# Altium PCB PCB2.PcbDoc (part 2 of 3)
Units mil, origin at the board's own origin, x right, y up, seen from the top; angles counter-clockwise.
Board outline 2125.98 x 2755.91 mil, 4 copper layers (Top Layer, Int1 (GND), Int2 (PWR), Bottom Layer), stack 53.912 mil thick; 204 components, 162 nets, 881 pads, 430 vias.
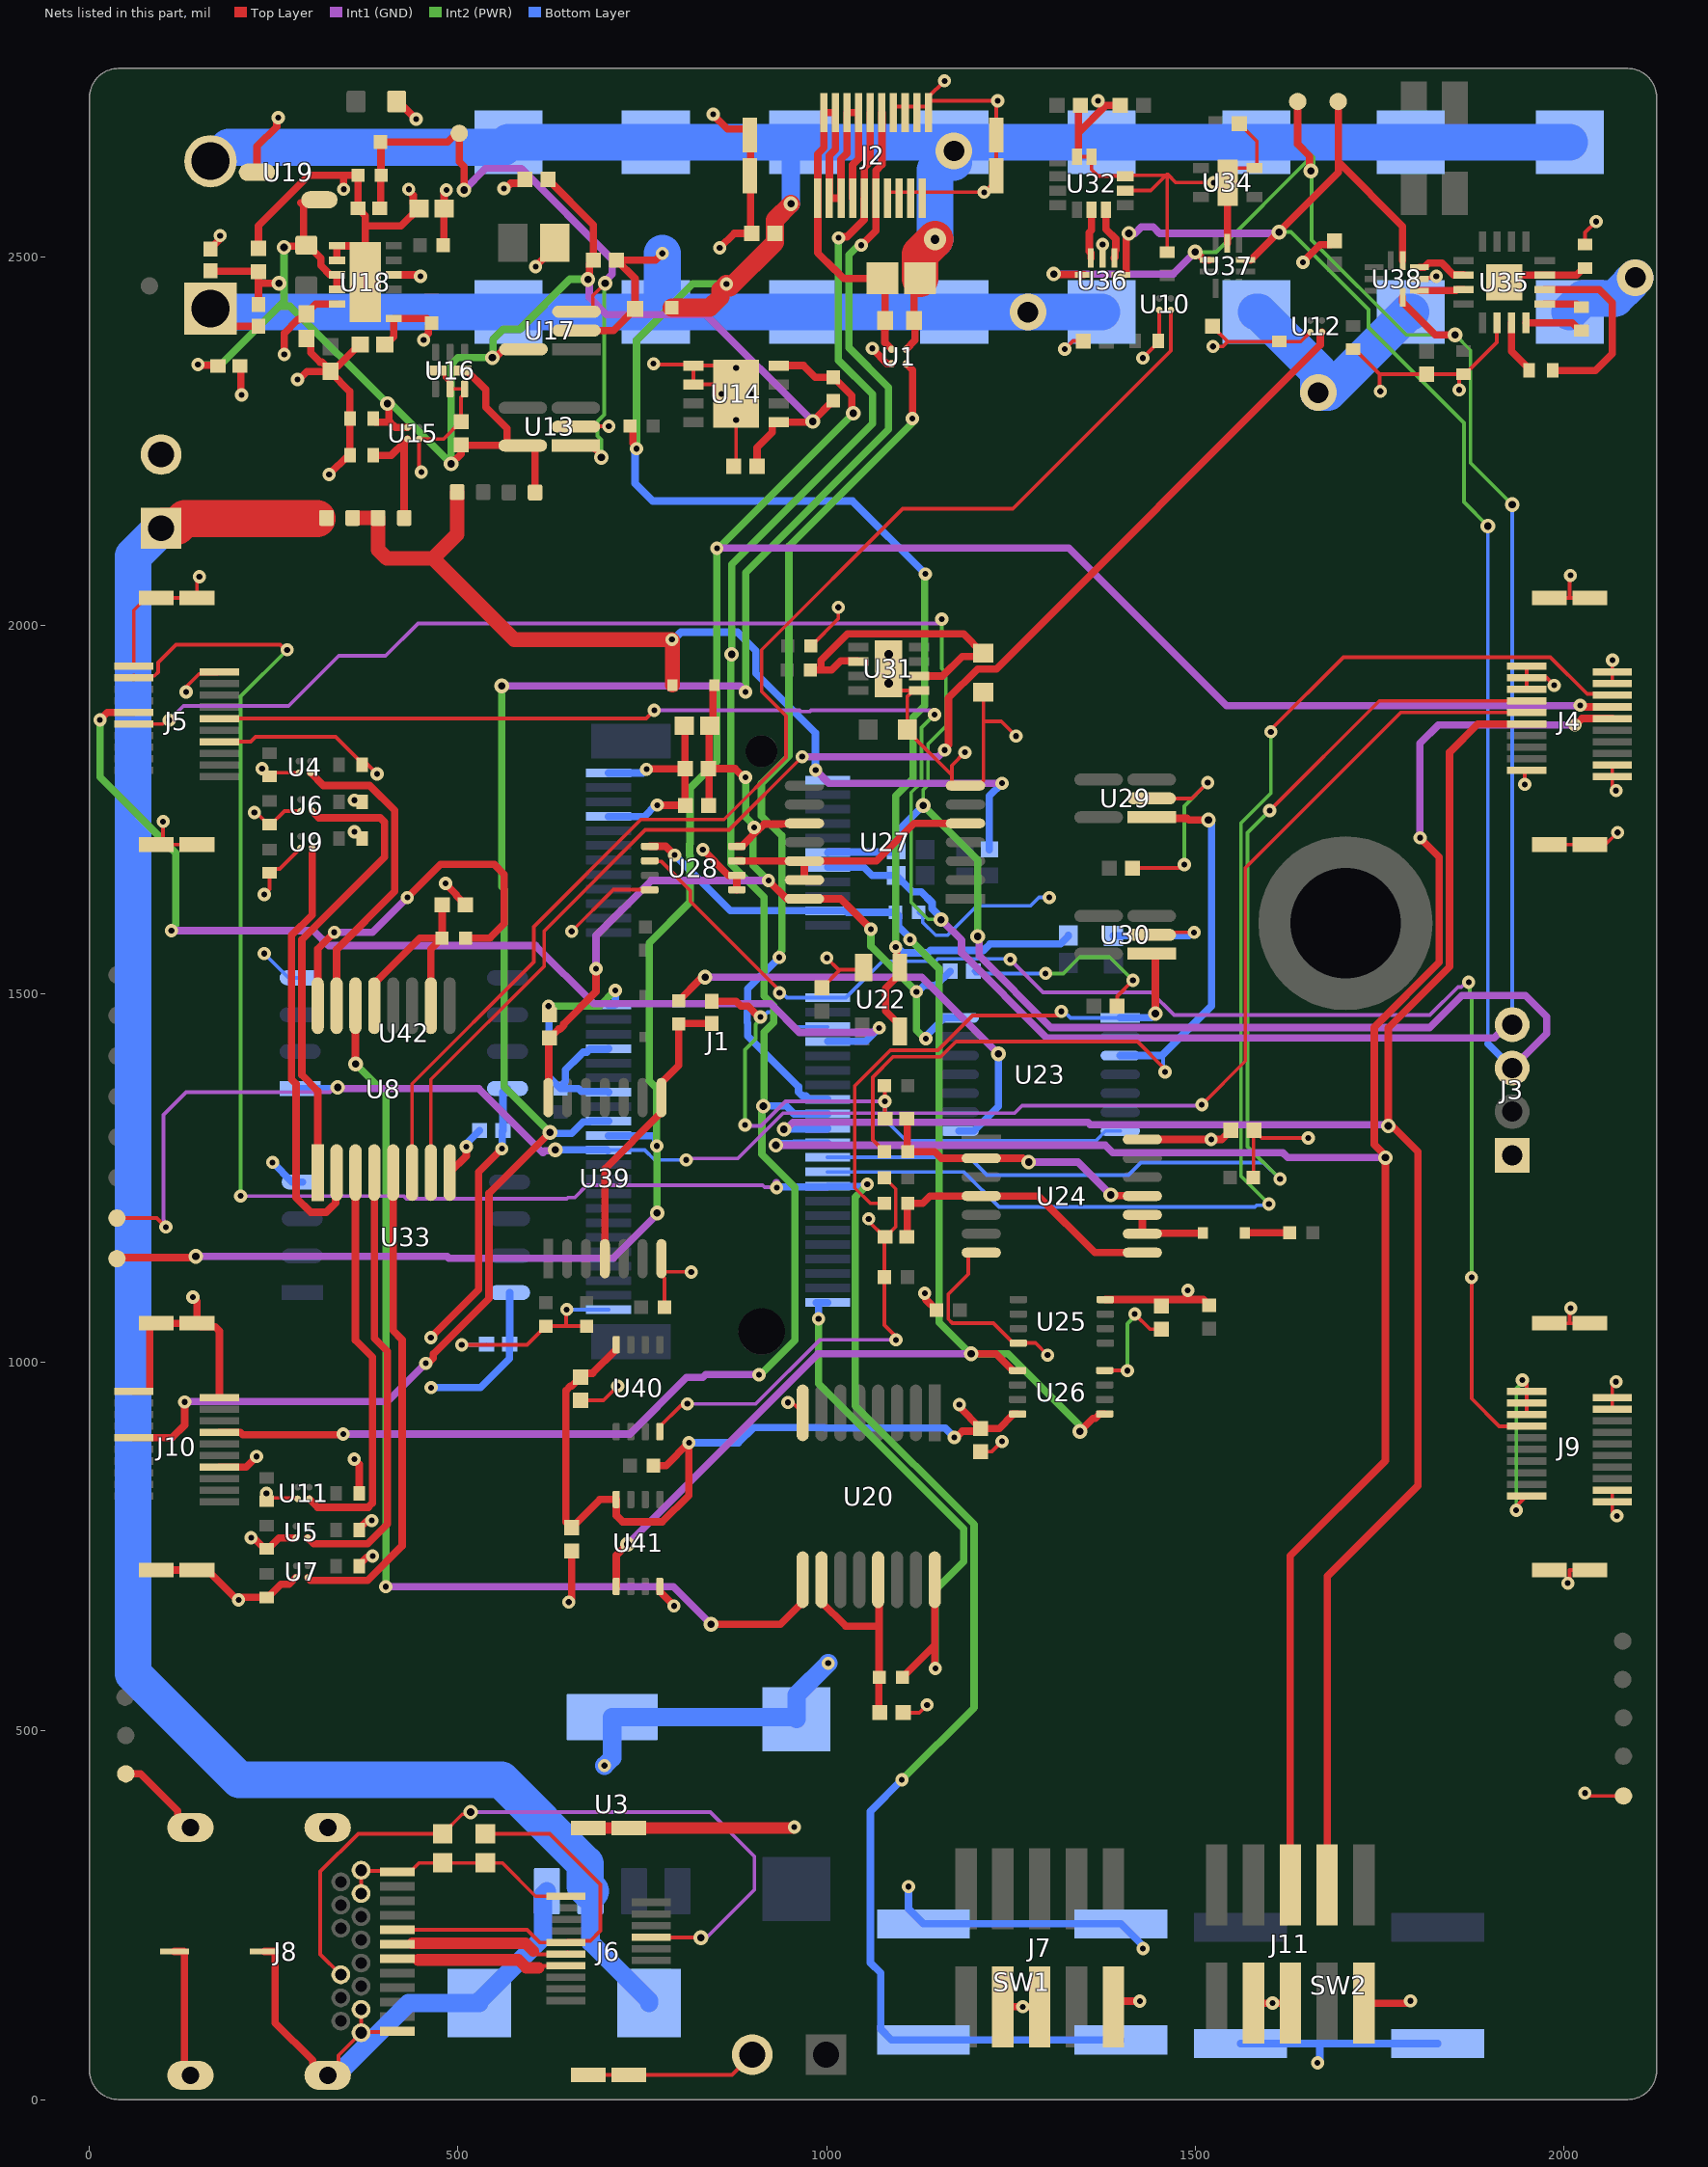
[diagram p4: the nets of this part, all layers, seen from the top]

## Via types
v1: diameter 18, hole 8, Top Layer to Bottom Layer, 311 vias
v2: diameter 20, hole 10, Top Layer to Bottom Layer, 102 vias
v3: diameter 50, hole 28, Top Layer to Bottom Layer, 6 vias
v4: diameter 90, hole 78.74, Top Layer to Bottom Layer, 4 vias
v5: diameter 19.68, hole 7.87, Top Layer to Bottom Layer, 4 vias
v6: diameter 23.62, hole 11.81, Top Layer to Bottom Layer, 2 vias
v7: diameter 30, hole 12, Top Layer to Bottom Layer, 1 vias

## Nets (pads, with @x,y where several pads share a name; then routed paths per layer and width w, separated by ;. In a path a pad name is that pad's centre, name@x,y a point inside that pad or via, vN(x,y) a via of type N, cw(c..) or ccw(c..) an arc to the next point about the centre after c; other vN are vias at no path point) (continued)
AIN1: J1.38 J5.9 | length 1478.8
  Top Layer w10: v1(14.09,1871.94) 24.24,1882.09 J5.9@60.04,1882.09
  Int1 (GND) w10: v1(111.09,1585.94) 304.33,1585.94 324.64,1565.63 605.28,1565.63 684.03,1486.88 924.16,1486.88 963.09,1447.94 1063.09,1447.94 1069.2,1454.06 v1(1071.36,1454.06)
  Int2 (PWR) w10: v1(14.09,1871.94) 14.09,1794.34 117.09,1691.34 117.09,1594.11 111.09,1588.11 v1(111.09,1585.94)
  Bottom Layer w10: J1.38@1001.34,1435.78 1053.09,1435.78 v1(1071.36,1454.06)
AIN5: J1.46 U1.B2 | length 1180.5
  Top Layer w10: U1.B2@1107.94,2355.1 1116.42,2346.62 v1(1116.42,2280.91)
  Int2 (PWR) w10: v1(935.6,1549.68) 937.14,1551.21 937.14,1556.87 939.09,1558.83 939.09,1714.81 925.68,1728.23 925.01,1728.23 911.59,1741.65 911.59,1785.95 948.87,1823.23 948.87,2107.72 1116.42,2275.27 v1(1116.42,2280.91)
  Bottom Layer w10: v1(935.6,1549.68) 935.83,1549.68 893.09,1506.94 893.09,1477.33 892.09,1476.33 892.09,1461.42 893.09,1460.42 893.09,1442.94 961.83,1374.2 961.83,1367.09 967.11,1361.82 971.96,1361.82 976.74,1357.04 J1.46@1001.34,1357.04
AIN6: J1.48 J2.9 J2.10 J10.8 | length 2764.5
  Top Layer w10: J10.8@176.18,905.32 204.66,905.32 208.1,901.87 343.02,901.87 v1(344.09,902.94) ; v1(1016.09,2525.94) 1017.63,2527.48 1027.63,2527.48 1050.91,2550.76 1050.91,2579.65 1051.06,2579.8 1051.06,2621.11 1059.25,2629.3 J2.10@1059.25,2695.87
  Int1 (GND) w10: v1(344.09,902.94) 733.03,902.94 810.03,979.94 832.09,979.94 835.74,983.59 v1(908.26,983.59)
  Int2 (PWR) w10: v1(908.26,983.59) 910.43,983.59 914.43,987.59 914.55,987.59 957.09,1030.14 957.09,1237.81 912.09,1282.81 912.09,1338.62 912.31,1338.83 912.31,1345.9 915.09,1348.69 915.09,1448.42 928.09,1461.42 928.09,1484.13 915.09,1497.13 915.09,1631.4 870.09,1676.4 870.09,1959.94 v2(871.09,1960.94) 871.09,2082.94 1062.09,2273.94 1062.09,2313.94 1016.09,2359.94 v1(1016.09,2525.94)
  Bottom Layer w10: v2(914.22,1347.82) 914.5,1348.09 945.09,1348.09 955.83,1337.35 J1.48@1001.34,1337.35
AIN7: J1.49 J2.11 J2.12 J10.9 | length 2805.7
  Top Layer w10: J10.9@60.04,897.83 111.98,897.83 129.03,914.88 v1(129.03,946.48) ; v1(456.09,998.94) 459.09,998.94 466.09,1005.94 466.09,1011.49 541.94,1087.34 541.94,1229.66 v2(624.66,1312.38) ; v2@558.77,1918.27 v2(559.09,1917.94) ; v1(1047.09,2515.94) 1066.73,2535.58 J2.11@1066.73,2579.72 1066.81,2579.8 1066.81,2617.06 1075,2625.25 J2.12@1075,2695.87
  Int1 (GND) w10: v1(129.03,946.48) 129.03,946.88 129.09,946.94 404.09,946.94 v1(456.09,998.94) ; v2(559.09,1917.94) 882.09,1917.94 v1(890.09,1909.94)
  Int2 (PWR) w10: v2(559.09,1917.94) 559.09,1645.64 562.59,1642.14 562.59,1374.44 v2(624.66,1312.38) ; v1(890.09,1909.94) 890.09,2071.94 1084.09,2265.94 1084.09,2322.94 1030.09,2376.94 1030.09,2502.94 1043.09,2515.94 v1(1047.09,2515.94)
  Bottom Layer w10: v2(624.66,1312.38) 626.09,1310.94 654.03,1310.94 669.69,1326.61 678.58,1326.61 679.49,1327.51 J1.49@704.09,1327.51
CASCADE_EN: J1.32 J9.14 U28.2 | length 1927.3
  Top Layer w5: U28.2@760.04,1680.79 760.84,1679.98 775.42,1679.98 815.09,1640.31 815.09,1625.73 936,1504.83 v1(936,1501.68) ; v1(1875.02,1115.41) 1875.02,951.02 1912.46,913.58 J9.14@1949.8,913.58
  Int1 (GND) w5: v1(1249.09,1546.94) 1293.78,1502.26 1440.5,1502.26 1471.42,1471.33 1818.48,1471.33 1856.59,1509.44 1861.08,1509.44 1867.58,1515.94 v1(1871.09,1515.94)
  Int2 (PWR) w5: v1(1871.09,1515.94) 1872.52,1514.52 1872.52,1499.44 1875.02,1496.94 v1(1875.02,1115.41)
  Bottom Layer w5: v1(936,1501.68) 939.51,1501.68 946.35,1494.84 J1.32@1001.34,1494.84 1025.95,1494.84 1075.55,1544.44 1147.81,1544.44 1151.05,1547.68 1248.36,1547.68 v1(1249.09,1546.94)
CC1: J6.12 J8.A5 R26.2 | length 536.9
  Top Layer w5: J8.A5@417.56,230.47 593.63,230.47 611.15,212.95 J6.12@646.02,212.95 648.44,215.37 679.52,215.37 693.09,228.94 693.09,291.94 624.32,360.71 R26.2@537.09,360.71
CC2: J6.13 J8.B5 R27.2 | length 1019.8
  Top Layer w5: J8.B5@340.79,169.45 313.09,197.14 313.09,309.36 364.45,360.71 R27.2@479.09,360.71 479.18,360.71 505.54,387.07 514.22,387.07 v2(517.09,389.94) ; J6.13@762.17,220.43 762.64,219.96 828.93,219.96 v2(829.4,219.49)
  Int1 (GND) w5: v2(517.09,389.94) 842.09,389.94 902.02,330.02 902.02,284.87 830.09,212.94 830.09,218.8 v2(829.4,219.49)
CHRT_VIN: C7.1 C8.1 C42.1 C45.2 C46.2 C49.1 C50.1 C51.1 C53.1 C55.1 D1.2 R34.1 R37.1 R43.1 U23.14 U24.14 U25.8 U26.8 U27.10 U27.14 U28.8 U39.14 U40.8 U41.8 | length 2918.9
  Top Layer w10: U39.14@622.32,1359.46 622.98,1360.12 622.98,1439.08 C42.1@624.09,1440.2 636.35,1452.46 638.06,1452.46 643.33,1457.73 643.33,1459.43 687.13,1503.23 v1(687.13,1534.23) ; U40.8@714.49,1017.44 682.49,985.44 671.44,985.44 653.94,967.94 652.24,967.94 646.09,961.8 646.09,783.94 C8.1@654.09,775.94 692.4,814.25 U41.8@714.57,814.25 714.57,792.47 723.09,783.94 777.3,783.94 813.17,819.82 v1(813.17,891.25) 782.12,860.2 R43.1@764.93,860.2 ; C53.1@839.61,1805.78 C53.1@840.69,1805.78 ; C55.1@839.84,1755.94 840.69,1756.79 C53.1@840.69,1805.78 ; D1.2@847.76,1919.01 845.87,1917.12 845.87,1868.34 C45.2@841.54,1864.01 840.69,1863.16 C53.1@840.69,1805.78 ; U28.8@878.15,1700.47 884.88,1700.47 907.22,1722.82 907.22,1726.07 v1(901.71,1726.07) ; v1(890.09,1793.94) 887.93,1793.94 876.1,1805.78 C53.1@840.69,1805.78 ; v1@910.27,1725.86 914.93,1730.52 938.46,1730.52 938.82,1730.88 969.17,1730.88 U27.10@969.83,1731.54 ; v1(921.09,1653.94) 945.21,1629.83 969.17,1629.83 U27.14@969.83,1629.17 1018.87,1629.17 v1(1060.09,1587.94) ; v1(1133.09,1093.94) 1134.63,1092.41 1134.63,1085.5 1149.09,1071.03 R34.1@1149.09,1070.94 ; v1(1173.21,898.33) 1175.37,898.33 1183.86,906.81 1205.21,906.81 C50.1@1209.09,910.69 ; v1(1180.09,942.94) 1180.09,939.69 C50.1@1209.09,910.69 ; U26.8@1259.13,930.23 1252.4,930.23 1252.32,930.15 1252.32,928.68 1234.33,910.69 C50.1@1209.09,910.69 ; U25.8@1378.15,1085.47 1488.09,1085.47 ; U24.14@1428.36,1302.72 v1(1521.71,1302.72) 1536.05,1302.72 C49.1@1548.4,1315.07 ; v1(1490.04,1098) 1488.51,1096.47 1488.51,1085.89 1488.09,1085.47 ; R37.1@1519.09,1077.61 1519.01,1077.61 1511.15,1085.47 1488.09,1085.47
  Int1 (GND) w10: v1(687.13,1534.23) 687.13,1578.98 762.09,1653.94 v1(921.09,1653.94)
  Int2 (PWR) w10: v1(890.09,1793.94) 890.09,1739.86 901.71,1728.24 v1(901.71,1726.07) 900.18,1724.54 900.18,1715.77 ; 900.16,1715.75 900.16,1674.88 v1(921.09,1653.94) ; v1(1060.09,1587.94) 1060.09,1564.92 v1(1121.88,1503.14) 1121.88,1451.16 1133.1,1439.94 1134.09,1439.94 v1(1134.71,1439.33)
  Bottom Layer w10: v1(813.17,891.25) 880.53,891.25 901.22,911.94 997.09,911.94 998.09,910.94 1160.8,910.94 1173.21,898.53 v1(1173.21,898.33) ; v1(1121.88,1503.14) 1124.04,1503.14 1132.47,1511.57 1148.22,1511.57 C46.2@1167.6,1530.94 ; v1(1134.71,1439.33) 1136.24,1440.86 1136.24,1444.1 1159.85,1467.72 U23.14@1179.83,1467.72
CLK: J1.20 R30.2 U26.1 U26.5 U28.1 U41.1 | length 1956.4
  Top Layer w10: U41.1@714.57,696.14 714.57,738.38 v2(729.8,753.61) ; U28.1@760.04,1700.47 781.89,1700.47 v1(793.85,1688.51) ; v2(1196.09,1011.94) 1229.74,1011.94 U26.5@1252.32,989.36 ; v2(1343.62,906.54) 1361.3,924.22 1364.5,924.22 1370.51,930.23 U26.1@1377.24,930.23
  Int1 (GND) w10: v2(729.8,753.61) 988.13,1011.94 v2(1196.09,1011.94)
  Int2 (PWR) w10: v1(1113.09,1573.94) 1152.74,1534.3 1152.74,1054.43 1195.22,1011.94 v2(1196.09,1011.94) 1246.09,1011.94 1346.09,911.94 1343.62,909.47 v2(1343.62,906.54)
  Bottom Layer w10: v1(793.85,1688.51) 869.4,1612.95 J1.20@1001.34,1612.95 1025.95,1612.95 1027.96,1610.94 R30.2@1093.26,1610.94 1097.48,1606.73 1097.48,1591.73 1113.09,1576.11 v1(1113.09,1573.94)
D_N: J6.8 J8.A7 | length 234.5
  Top Layer w5: J8.A7@417.56,191.1 419.13,189.53 445.51,189.53 ; 609.09,179.01 611.54,181.46 J6.8@646.02,181.46
  Top Layer w15.75: 445.51,189.53 581.95,189.53 592.47,179.01 609.09,179.01
D_P: J6.10 J8.A6 | length 238.8
  Top Layer w5: J8.A6@417.56,210.79 419.13,212.36 J8.A6@437.68,212.36 ; 601.93,201.84 606.57,197.2 J6.10@646.02,197.2 J6.10@648.44,199.63
  Top Layer w15.75: J8.A6@437.68,212.36 591.41,212.36 601.93,201.84
EH_VIN: C38.1 C39.2 C66.1 C67.1 C68.1 C69.1 C70.1 C71.1 C72.1 C73.1 J12.1 J13.2 L1.1 R7.1 R9.1 R12.1 R14.2 R17.1 R18.2 R19.1 R20.2 U1.A2 U18.1 U18.4 U18.11 U22.1 U22.4 | length 4628.5
  Top Layer w10: v1(264.09,2367.94) 264.09,2396.55 281.87,2414.33 282.41,2414.33 283.95,2415.87 288.27,2415.87 294.09,2421.69 294.09,2423.66 306.84,2436.41 U18.11@335.59,2436.41 ; R20.2@400.83,2380.94 401.81,2380.94 412.59,2391.73 U18.1@412.59,2416.72 457.4,2416.72 R17.1@464.01,2410.11 ; U18.4@412.59,2475.79 447.25,2475.79 v1(449.09,2473.94) ; v1(453.25,2387.43) 453.25,2389.6 459.79,2396.14 459.79,2405.9 R17.1@464.01,2410.11 ; R17.1@464.09,2410.11 R17.1@464.01,2410.11 ; R19.1@479.93,2515.94 480.48,2516.49 480.48,2565.4 C39.2@481.02,2565.94 481.02,2587.87 v1(484.09,2590.94) ; v1(605.12,2486.75) 605.12,2486.98 631.28,2513.14 L1.1@631.28,2519.09 ; R12.1@733.35,2270.94 737.12,2267.17 v1@737.12,2247.09 ; v1(1093.68,1563.59) 1095.21,1562.06 1095.21,1539.82 U22.1@1099.2,1535.83 1099.2,1526.97 1080.2,1507.96 1080.2,1477.08 1099.2,1458.07 U22.4@1099.2,1449.21 ; U1.A2@1107.94,2374.79 1120.09,2386.94 1120.09,2412.66 J12.1@1118.81,2413.94 1118.81,2463.07 R7.1@1126.69,2470.94
  Top Layer w25: R14.2@789.65,2431.18 841.39,2431.18 856.03,2445.83 856.03,2455.37 v1(864.09,2463.43) ; v1@868.87,2458.66 929.84,2519.63 C38.1@929.84,2531.94 929.84,2550.37 v2(951.56,2572.09)
  Top Layer w50: R7.1@1126.69,2470.94 1126.69,2503.54 v7(1147.09,2523.94)
  Int2 (PWR) w10: v1(742.09,2239.94) 742.09,2386.94 818.58,2463.43 v1(864.09,2463.43) ; v1(1093.68,1563.59) 1093.68,1768.73 1117.09,1792.15 1117.09,1875.3 1133.09,1891.3 1133.09,2069.94 v1(1134.09,2069.94)
  Bottom Layer w10: v1(742.09,2239.94) 742.09,2238.94 740.09,2236.94 740.09,2192.94 764.09,2168.94 1035.09,2168.94 v1(1134.09,2069.94) ; v1(1093.68,1563.59) 1095.85,1563.59 1103.49,1555.94 1137.4,1555.94 1140.64,1559.18 1212.96,1559.18 1221.73,1567.94 1317.38,1567.94 1328.09,1578.66 R9.1@1328.09,1579.65
  Bottom Layer w25: v2(951.56,2572.09) 951.56,2636.43 C71.1@970.72,2655.59
  Bottom Layer w50: J13.2@164.09,2629.94 169.74,2629.94 188.74,2648.94 561.42,2648.94 C73.1@568.22,2655.75 568.38,2655.59 C72.1@768.22,2655.59 951.56,2655.59 970.72,2655.59 1151.96,2655.59 C70.1@1173.22,2655.59 C69.1@1373.22,2655.59 1583.22,2655.59 C67.1@1792.56,2655.59 C66.1@2008.22,2655.59 ; v7(1147.09,2523.94) 1147.09,2618.34 1151.96,2623.21 1151.96,2637.28 1158.64,2643.96 v3(1172.72,2643.96) C70.1@1172.72,2628.66
EH_VIN_SENSE: J2.1 J2.2 J2.3 J2.4 J2.5 J2.6 J2.7 J2.8 J12.2 R7.2 U1.A1 | length 803.2
  Top Layer w10: J2.5@1019.39,2579.83 1019.39,2632.24 1027.76,2640.61 J2.6@1027.76,2695.87 J2.8@1043.5,2695.87 1043.5,2633.35 1035.09,2624.94 1035.09,2616.66 1035.16,2616.6 1035.16,2579.8 J2.7@1035.24,2579.72 ; J2.5@1019.49,2579.72 J2.3@1003.74,2579.72 1003.74,2637.59 1012.01,2645.86 J2.4@1012.01,2695.87 J2.2@996.26,2695.87 996.26,2648.11 987.99,2639.84 J2.1@987.99,2579.72 987.99,2505.82 1010.87,2482.94 1011.09,2482.94 1023.09,2470.94 R7.2@1075.5,2470.94 1079.44,2467.01 J12.2@1079.44,2413.94 1079.09,2413.6 1079.09,2383.94 U1.A1@1088.25,2374.79
EM_VCC: C28.1 C30.1 C31.1 C32.1 C33.1 C34.1 C35.1 C36.1 C37.1 R6.1 R13.1 R16.1 U13.5 U14.1 U15.A1 U16.8 U17.5 U18.9 U18.10 U19.1 | length 2446.3
  Top Layer w10: v1(147.09,2353.94) 148.09,2352.94 173.19,2352.94 C36.1@174.19,2351.94 ; C34.1@164.09,2481.04 164.52,2480.62 228.67,2480.62 C37.1@229.09,2480.2 229.09,2464.43 ; C35.1@229.09,2435.85 229.05,2435.9 229.09,2435.94 229.09,2464.43 ; v2(257.06,2464.43) 229.09,2464.43 ; v2(263.89,2513.07) 265.33,2514.51 289.82,2514.51 290.26,2514.07 290.26,2569.7 286.42,2573.54 ; R16.1@294.09,2515.94 296.06,2515.94 313.8,2498.2 313.8,2488.55 326.56,2475.79 U18.9@335.59,2475.79 U18.10@335.59,2456.1 ; C28.1@384.84,2280.94 384.84,2278.98 387.72,2276.1 407.72,2276.1 ; v2(404.09,2301.14) 406,2299.23 406,2277.82 407.72,2276.1 ; U15.A1@431.22,2268.82 415,2268.82 407.72,2276.1 ; v2(490.48,2219.35) 504.09,2232.97 C30.1@504.09,2245.2 504.61,2244.68 U13.5@569.01,2244.68 ; U16.8@506.22,2345.94 511.73,2345.94 537.65,2320.03 537.65,2296.29 566.58,2267.35 566.58,2247.11 U13.5@569.01,2244.68 ; v2(546.52,2363.37) 548.43,2365.28 552.65,2365.28 562.13,2374.76 U17.5@588.68,2374.76 ; R6.1@604.38,2180.58 604.38,2241.22 601.44,2244.17 U13.5@587.72,2244.17 569.52,2244.17 U13.5@569.01,2244.68 ; C33.1@621.94,2605.29 683.6,2543.64 C31.1@683.6,2495.94 678.36,2490.71 678.36,2474.68 676.09,2472.4 v2(676.09,2469.7) ; C32.1@905.59,2215.94 905.59,2241.18 926.46,2262.05 926.46,2274.06 928.35,2275.94 U14.1@935.24,2275.94 v2@979.84,2275.94 ; v2@980.97,2277.07 1009.01,2305.11 R13.1@1009.09,2305.11
  Int1 (GND) w10: v2(676.09,2469.7) 678,2467.78 678,2445.17 701.22,2421.94 836.09,2421.94 v2(981.09,2276.94)
  Int2 (PWR) w10: v1(147.09,2353.94) 177.86,2353.94 257.06,2433.15 ; v2(257.06,2464.43) v2@263.89,2464.43 ; v2(263.89,2513.07) v2@263.89,2464.43 ; v2(546.52,2363.37) 499.76,2363.37 490.48,2354.09 v2(490.48,2219.35) 408.69,2301.14 v2(404.09,2301.14) 272.08,2433.15 257.06,2433.15 ; v2@547.52,2364.37 547.52,2388.37 561.01,2401.86 583.71,2401.86 651.8,2469.94 675.84,2469.94 v2(676.09,2469.7) ; 257.06,2433.15 263.89,2439.98 v2@263.89,2464.43
EM_VOUT: C29.2 R10.1 U15.B1 | length 158.3
  Top Layer w10: C29.2@384.84,2230.94 409.09,2230.94 426.81,2248.66 ; R10.1@426.81,2145.94 426.81,2248.66 ; U15.B1@431.22,2253.07 426.81,2248.66
EM_VREF: C40.1 EM_VREF.1 R21.1 R24.2 U13.1 U17.3 | length 928.6
  Top Layer w5: U13.1@659.65,2244.17 678.1,2244.17 v2(694.22,2228.04) ; U17.3@660.61,2425.94 677.69,2425.94 682.94,2431.19 682.94,2447.75 v2(699.47,2464.28)
  Top Layer w10: C40.1@394,2565.94 394.79,2566.74 394.79,2610.81 395.26,2611.28 395.26,2655.61 R21.1@394.93,2655.94 485.98,2655.94 497.87,2667.83 501.56,2664.15 501.56,2629.06 507.96,2622.65 v2(507.96,2590.94)
  Int1 (GND) w10: v2(507.96,2590.94) 536.96,2619.94 585.89,2619.94 709.09,2496.74 709.09,2476.61 699.47,2466.98 v2(699.47,2464.28)
  Int2 (PWR) w5: v2(694.22,2228.04) 694.22,2251.83 689,2257.05 689,2276.77 698.09,2285.87 698.09,2462.9 v2(699.47,2464.28)
EN_CASCADE: U27.5 U27.12 U27.13 U28.7 | length 357.2
  Top Layer w10: U28.7@878.15,1680.79 884.88,1680.79 885.32,1680.35 U27.12@969.83,1680.35 ; U27.13@969.83,1654.76 U27.12@969.83,1680.35 ; U27.5@1188.36,1731.54 1118.69,1731.54 1067.5,1680.35 U27.12@969.83,1680.35
GND: C1.2 C3.2 C4.2 C5.2 C6.2 C7.2 C8.2 C9.1 C10.2 C11.2 C12.2 C13.2 C14.1 C15.2 C16.2 C17.1 C18.1 C19.2 C20.2 C21.1 C22.1 C23.1 C24.2 C25.2 C26.1 C27.1 C28.2 C29.1 C30.2 C31.2 C32.2 C33.2 C34.2 C35.2 C36.2 C37.2 C38.2 C39.1 C40.2 C41.1 C42.2 C44.2 C45.1 C46.1 C47.2 C48.2 C49.2 C50.2 C51.2 C52.1 C53.2 C54.1 C55.2 C56.2 C57.2 C58.1 C59.2 C60.2 C61.2 C62.2 C63.2 C64.1 C66.2 C67.2 C68.2 C69.2 C70.2 C71.2 C72.2 C73.2 J1.1 J1.7 J1.33 J1.36 J1.39 J1.45 J1.75 J2.13 J2.14 J2.15 J2.16 J2.17 J2.18 J2.19 J2.20 J2.21 J2.22 J2.23 J2.24 J3.1 J4.1 J4.2 J4.3 J4.16 J4.17 J4.18 J4.19 J4.20 J4.21 J4.22 J4.23 J4.24 J5.1 J5.2 J5.14 J5.21 J5.22 J5.23 J5.24 J6.20 J6.21 J6.22 J6.23 J6.24 J7.3 J7.5 J7.9 J8.A1 J8.A12 J8.B1 J8.B12 J8.G1 J8.G2 J8.Shell J9.1 J9.2 J9.3 J9.16 J9.17 J9.18 J9.19 J9.20 J9.21 J9.22 J9.23 J9.24 J10.1 J10.2 J10.14 J10.21 J10.22 J10.23 J10.24 J11.3 J11.5 J11.9 J13.1 P1.2 P2.2 R15.1 R18.1 R20.1 R22.1 R23.1 R24.1 R26.1 R27.1 R30.1 R31.2 R32.1 R33.1 R35.2 R36.2 R41.2 R42.1 R44.2 R45.2 R47.1 SW1.A SW1.A' SW2.A SW2.A' TP17.1 TP18.1 U1.B1 U3.4 U3.5 U4.B2 U5.B2 U6.B2 U7.B2 U8.8 U9.B2 U10.B2 U11.B2 U12.B2 U13.2 U14.5 U14.6 U14.9 U15.B2 U16.4 U16.6 U16.7 U17.2 U18.7 U18.8 U18.13 U19.3 U20.8 U22.2 U23.7 U24.7 U25.4 U26.4 U27.7 U28.4 U28.5 U28.6 U29.2 U30.2 U31.1 U31.9 U32.2 U32.3 U32.6 U32.7 U33.4 U34.4 U34.5 U35.2 U36.10 U37.10 U38.10 U39.7 U40.4 U41.4 U42.4 | length 17250.8
  Top Layer w5: J5.1@60.04,1945.08 60.04,2020.67 76.77,2037.4 J5.23@90.55,2037.4 J5.21@145.67,2037.4 145.67,2062.92 v1(149.05,2066.29) ; v1(99.8,1734.09) 99.8,1712.01 J5.24@90.55,1702.76 J5.22@145.67,1702.76 ; v1(131.09,1909.94) 131.09,1916.66 148.82,1934.39 173.76,1934.39 J5.2@176.18,1936.81 ; J5.14@176.18,1842.32 218.47,1842.32 225.09,1848.94 333.81,1848.94 369.84,1812.91 375.7,1812.91 v1(390.01,1798.6) ; v1(223.61,1746.2) 226.13,1746.2 242.13,1730.2 C17.1@244.09,1730.2 246.06,1730.2 264.31,1748.44 285.85,1748.44 U6.B2@286.22,1748.07 ; v1(234.04,1805.82) 234.04,1803.81 242.66,1795.2 C13.2@244.09,1795.2 249.09,1800.2 U4.B2@284.09,1800.2 ; v1(237.09,1634.94) 244.09,1641.94 C21.1@244.09,1664.45 249.47,1669.82 257.97,1669.82 U9.B2@286.22,1698.07 ; C26.1@242.97,815.07 244.13,816.23 279.96,816.23 281.12,815.07 U11.B2@282.22,815.07 ; J8.Shell@323.07,32.83 337.66,47.42 337.66,60.02 J8.B1@368.35,90.71 ; v1(359.22,1720.1) 362.47,1716.85 364.47,1716.85 364.47,1716.32 C19.2@369.84,1710.94 ; v1(359.22,1762.9) 361.17,1760.94 C15.2@369.84,1760.94 ; J8.G1@368.35,122.2 J8.B1@368.35,90.71 ; J8.G2@368.35,279.68 J8.B12@368.35,311.18 369.33,310.2 416.57,310.2 J8.A1@417.56,309.21 435.28,309.21 447.01,320.94 560.09,320.94 605.09,275.94 J6.20@646.02,275.94 ; J8.A12@417.56,92.68 416.57,91.69 369.33,91.69 J8.B1@368.35,90.71 ; v1(450.07,2208.31) 446.97,2211.41 U15.B2@446.97,2253.07 480.47,2253.07 C30.2@504.09,2276.69 504.09,2309.76 508.78,2314.45 U16.7@508.78,2320.94 U16.6@489.09,2320.94 486.67,2323.37 486.67,2331.24 481.87,2336.04 481.87,2341.56 477.48,2345.94 U16.4@471.97,2345.94 ; v1(504.85,1023.94) 593.59,1023.94 R45.2@619.09,1049.45 646.59,1049.45 ; v1(647.43,1072.01) 646.59,1071.17 646.59,1049.45 ; v1(654.09,1584.94) 710.57,1641.42 U28.4@760.04,1641.42 ; U13.2@659.65,2269.76 660.24,2270.35 v1(704.5,2270.35) ; C7.2@666.2,948.71 697.2,948.71 v1(716.64,968.15) ; R44.2@674.09,1049.45 646.59,1049.45 ; J6.21@676.54,33.62 J6.23@731.65,33.62 871.77,33.62 P1.2@899.09,60.94 ; v1@764.85,2355.19 v1(765.16,2355.19) 766.4,2353.95 817.86,2353.95 U14.5@819.09,2352.72 ; U40.4@773.62,906.14 773.62,913.03 802.05,941.46 808.61,941.46 v1(811.09,943.94) ; U39.7@775.87,1140.93 U39.7@775.87,1127.09 ; R42.1@779.93,1075.2 779.93,1114.62 775.87,1118.68 U39.7@775.87,1127.09 ; v1(816.28,1122.94) 816.02,1123.2 779.75,1123.2 U39.7@775.87,1127.09 ; C32.2@874.09,2215.94 877.17,2219.02 v5(877.17,2278.9) ; v1(947.49,945.81) 953.45,945.81 U20.8@967.52,931.73 ; R41.2@978.79,1972.12 1015.91,2009.25 v1(1015.91,2024.72) ; C44.2@993.61,1508.27 1018.29,1532.94 ; v1(1000.26,1549.1) 1016.41,1532.94 1018.29,1532.94 ; U22.2@1049.99,1535.83 1047.11,1532.94 1018.29,1532.94 ; v1(1057.09,1194.94) 1057.09,1191.7 1078.35,1170.44 C47.2@1079.19,1170.44 ; R35.2@1078.35,1250.94 1093.7,1235.59 1093.7,1184.12 1080.03,1170.44 C47.2@1079.19,1170.44 ; R36.2@1078.35,1375.94 1079.09,1375.2 v1(1079.09,1354.55) C48.2@1079.09,1330.94 ; J2.13@1082.48,2587.87 v1(1213.58,2587.87) 1230.31,2604.61 J2.24@1230.31,2610.24 J2.22@1230.31,2665.35 v1@1230.31,2710.17 ; v6(1084.09,1921.57) 1093.94,1911.73 U31.1@1117.56,1911.73 ; J2.14@1090.75,2704.02 1137.99,2704.02 J2.20@1137.99,2709.52 ; v1(1094,1030.76) 1094,1035.04 1078.26,1050.78 R33.1@1078.26,1115.94 1078.26,1169.52 C47.2@1079.19,1170.44 ; C41.1@1103.84,524.94 1125.74,524.94 v1(1136.26,535.46) ; U31.1@1125.43,1911.73 U31.1@1117.56,1911.73 ; v1(1159.96,2738.98) 1137.99,2717.02 J2.20@1137.99,2709.52 ; v1(1187.77,1827.88) 1170.02,1810.13 1170.02,1796.92 ; C50.2@1209.09,879.2 1224.35,879.2 v1(1238.09,892.94) ; U24.7@1209.83,1149.17 1196.24,1149.17 1192.35,1145.29 1192.35,1119.83 1165.04,1092.52 1165.04,1058.95 1170.55,1053.44 1226.12,1053.44 1253.15,1026.42 U25.4@1260.04,1026.42 1283.39,1026.42 v1(1299.79,1010.02) ; C56.2@1212.76,1909.53 1212.76,1869.94 ; v1(1232.09,2711.94) v1@1230.31,2710.17 ; v1(1257.09,1849.94) 1237.09,1869.94 1212.76,1869.94 ; v1(1323.09,2374.94) 1334.09,2385.94 C63.2@1348.35,2385.94 ; U32.7@1339.72,2635.94 U32.6@1359.41,2635.94 1359.41,2618.63 1368.18,2609.86 U32.3@1405.18,2609.86 1406.14,2610.83 1460.45,2610.83 ; U36.10@1374.39,2498.68 v1(1374.39,2517) ; U26.4@1377.24,989.28 1407.94,989.28 v1(1408.24,988.99) ; C54.1@1394.17,1483.7 1394.17,1497.02 v1(1415.62,1518.47) ; U32.2@1405.18,2590.18 1439.8,2590.18 1460.45,2610.83 ; C52.1@1414.84,1670.94 1480.6,1670.94 v1(1485.17,1675.51) ; v1(1418.09,1065.94) 1438.84,1045.2 C51.2@1454.09,1045.2 ; v1(1429.09,2362.94) 1429.09,2363.23 1449.84,2383.98 C22.1@1449.84,2385.94 1451.22,2387.32 U10.B2@1451.22,2428.07 ; U30.2@1441.03,1580.35 1444.3,1583.62 v1(1498.58,1583.62) ; U29.2@1441.03,1765.35 1495.5,1765.35 v1(1517.09,1786.94) ; C20.2@1462.09,2506.81 1462.09,2611.11 1461.41,2611.79 ; C4.2@1523.35,2405.94 1544.09,2385.2 ; v1(1524.25,2378.59) 1537.49,2378.59 1544.09,2385.2 ; v1(1525.09,2600.94) 1473.9,2600.94 1463.05,2611.79 1461.41,2611.79 ; U34.5@1535.69,2600.94 U34.5@1544.09,2600.94 ; U34.5@1544.09,2609.35 1555.37,2620.63 U34.4@1580.51,2620.63 1583.84,2623.95 1583.84,2656.95 C60.2@1559.84,2680.94 ; R32.1@1579.09,1250.94 1579.09,1314.26 C49.2@1579.9,1315.07 1590.38,1304.58 v1(1653.46,1304.58) ; U12.B2@1656.22,2398.07 1643.35,2385.2 C27.1@1614.09,2385.2 1544.09,2385.2 ; C25.2@1714.09,2375.2 1716.06,2375.2 1750.32,2340.94 ; v1(1751.29,2317.81) 1750.32,2318.78 1750.32,2340.94 ; U38.10@1804.09,2470.2 1805.53,2471.63 1824.87,2471.63 v1(1827.18,2473.94) ; v1(1858.09,2319.79) 1858.09,2335.57 C64.1@1863.47,2340.94 ; U35.2@1909.41,2410.63 1909.41,2384.29 1866.06,2340.94 C64.1@1864.09,2340.94 C64.1@1863.47,2340.94 ; v1(1935.64,799.75) 1935.64,804.93 J9.2@1949.8,819.09 ; v1(1943.95,976.17) 1949.8,970.32 J9.20@1949.8,960.83 J9.18@1949.8,945.08 J9.16@1949.8,929.33 ; v1(1947.31,1784.41) 1947.31,1800.93 1949.73,1803.35 J4.2@1949.8,1803.35 ; J4.16@1949.8,1913.58 J4.18@1949.8,1929.33 ; J4.20@1949.8,1945.08 J4.18@1949.8,1929.33 ; J9.22@1980.31,1053.15 2007.87,1053.15 ; J4.21@1980.31,1702.76 J4.23@2035.43,1702.76 2056.66,1702.76 v1(2073.08,1719.17) ; J4.22@1980.31,2037.4 2007.87,2037.4 ; v1(1987.16,1918.83) 1976.66,1929.33 J4.18@1949.8,1929.33 ; v1(2005.62,700.62) 2007.87,702.88 2007.87,718.5 J9.23@2035.43,718.5 ; v1(2009.09,2067.94) 2007.87,2066.72 2007.87,2037.4 ; v1(2009.53,1073.86) 2007.87,1072.2 2007.87,1053.15 ; v1(2028.78,415.9) 2032.74,411.94 TP17.1@2081.09,411.94 ; C62.2@2029.09,2516.69 2029.09,2533.14 v1(2044.09,2548.13) ; J9.24@2035.43,1053.15 2007.87,1053.15 ; J4.24@2035.43,2037.4 2007.87,2037.4 ; J9.3@2065.94,826.57 J9.1@2065.94,810.83 2065.94,798.09 v1(2072.09,791.94) ; J9.17@2065.94,936.81 J9.19@2065.94,952.56 2065.94,968.8 v1(2071.09,973.94) ; J4.3@2065.94,1810.83 J4.1@2065.94,1795.08 2065.94,1781.1 v1(2071.06,1775.99) ; J4.17@2065.94,1921.06 J4.19@2065.94,1936.81 2065.94,1952.95 v1(2066.15,1953.16) ; U14.5@819.09,2352.72 848.56,2352.72 877.17,2324.11 U14.9@877.17,2314.33 864.37,2327.13 U14.6@819.09,2327.13 U14.5@819.09,2352.72 ; U31.1@1117.56,1911.73 1109.33,1903.5 C57.2@1109.33,1858.6 1109.33,1857.62 1170.02,1796.92 ; J2.20@1137.99,2709.52 1140.41,2711.94 1228.54,2711.94 v1@1230.31,2710.17 ; 1170.02,1796.92 1170.02,1786.6 1173.91,1782.72 U27.7@1188.36,1782.72 1206.06,1782.72 1212.76,1789.41 1212.76,1869.94 ; 1460.45,2610.83 1461.41,2611.79 ; 1750.32,2340.94 C3.2@1814.09,2340.94 C64.1@1863.47,2340.94